# Altium PCB FMC_ADC_250M_16B_4ch_pcb.PcbDoc (part 1 of 8) (continued)
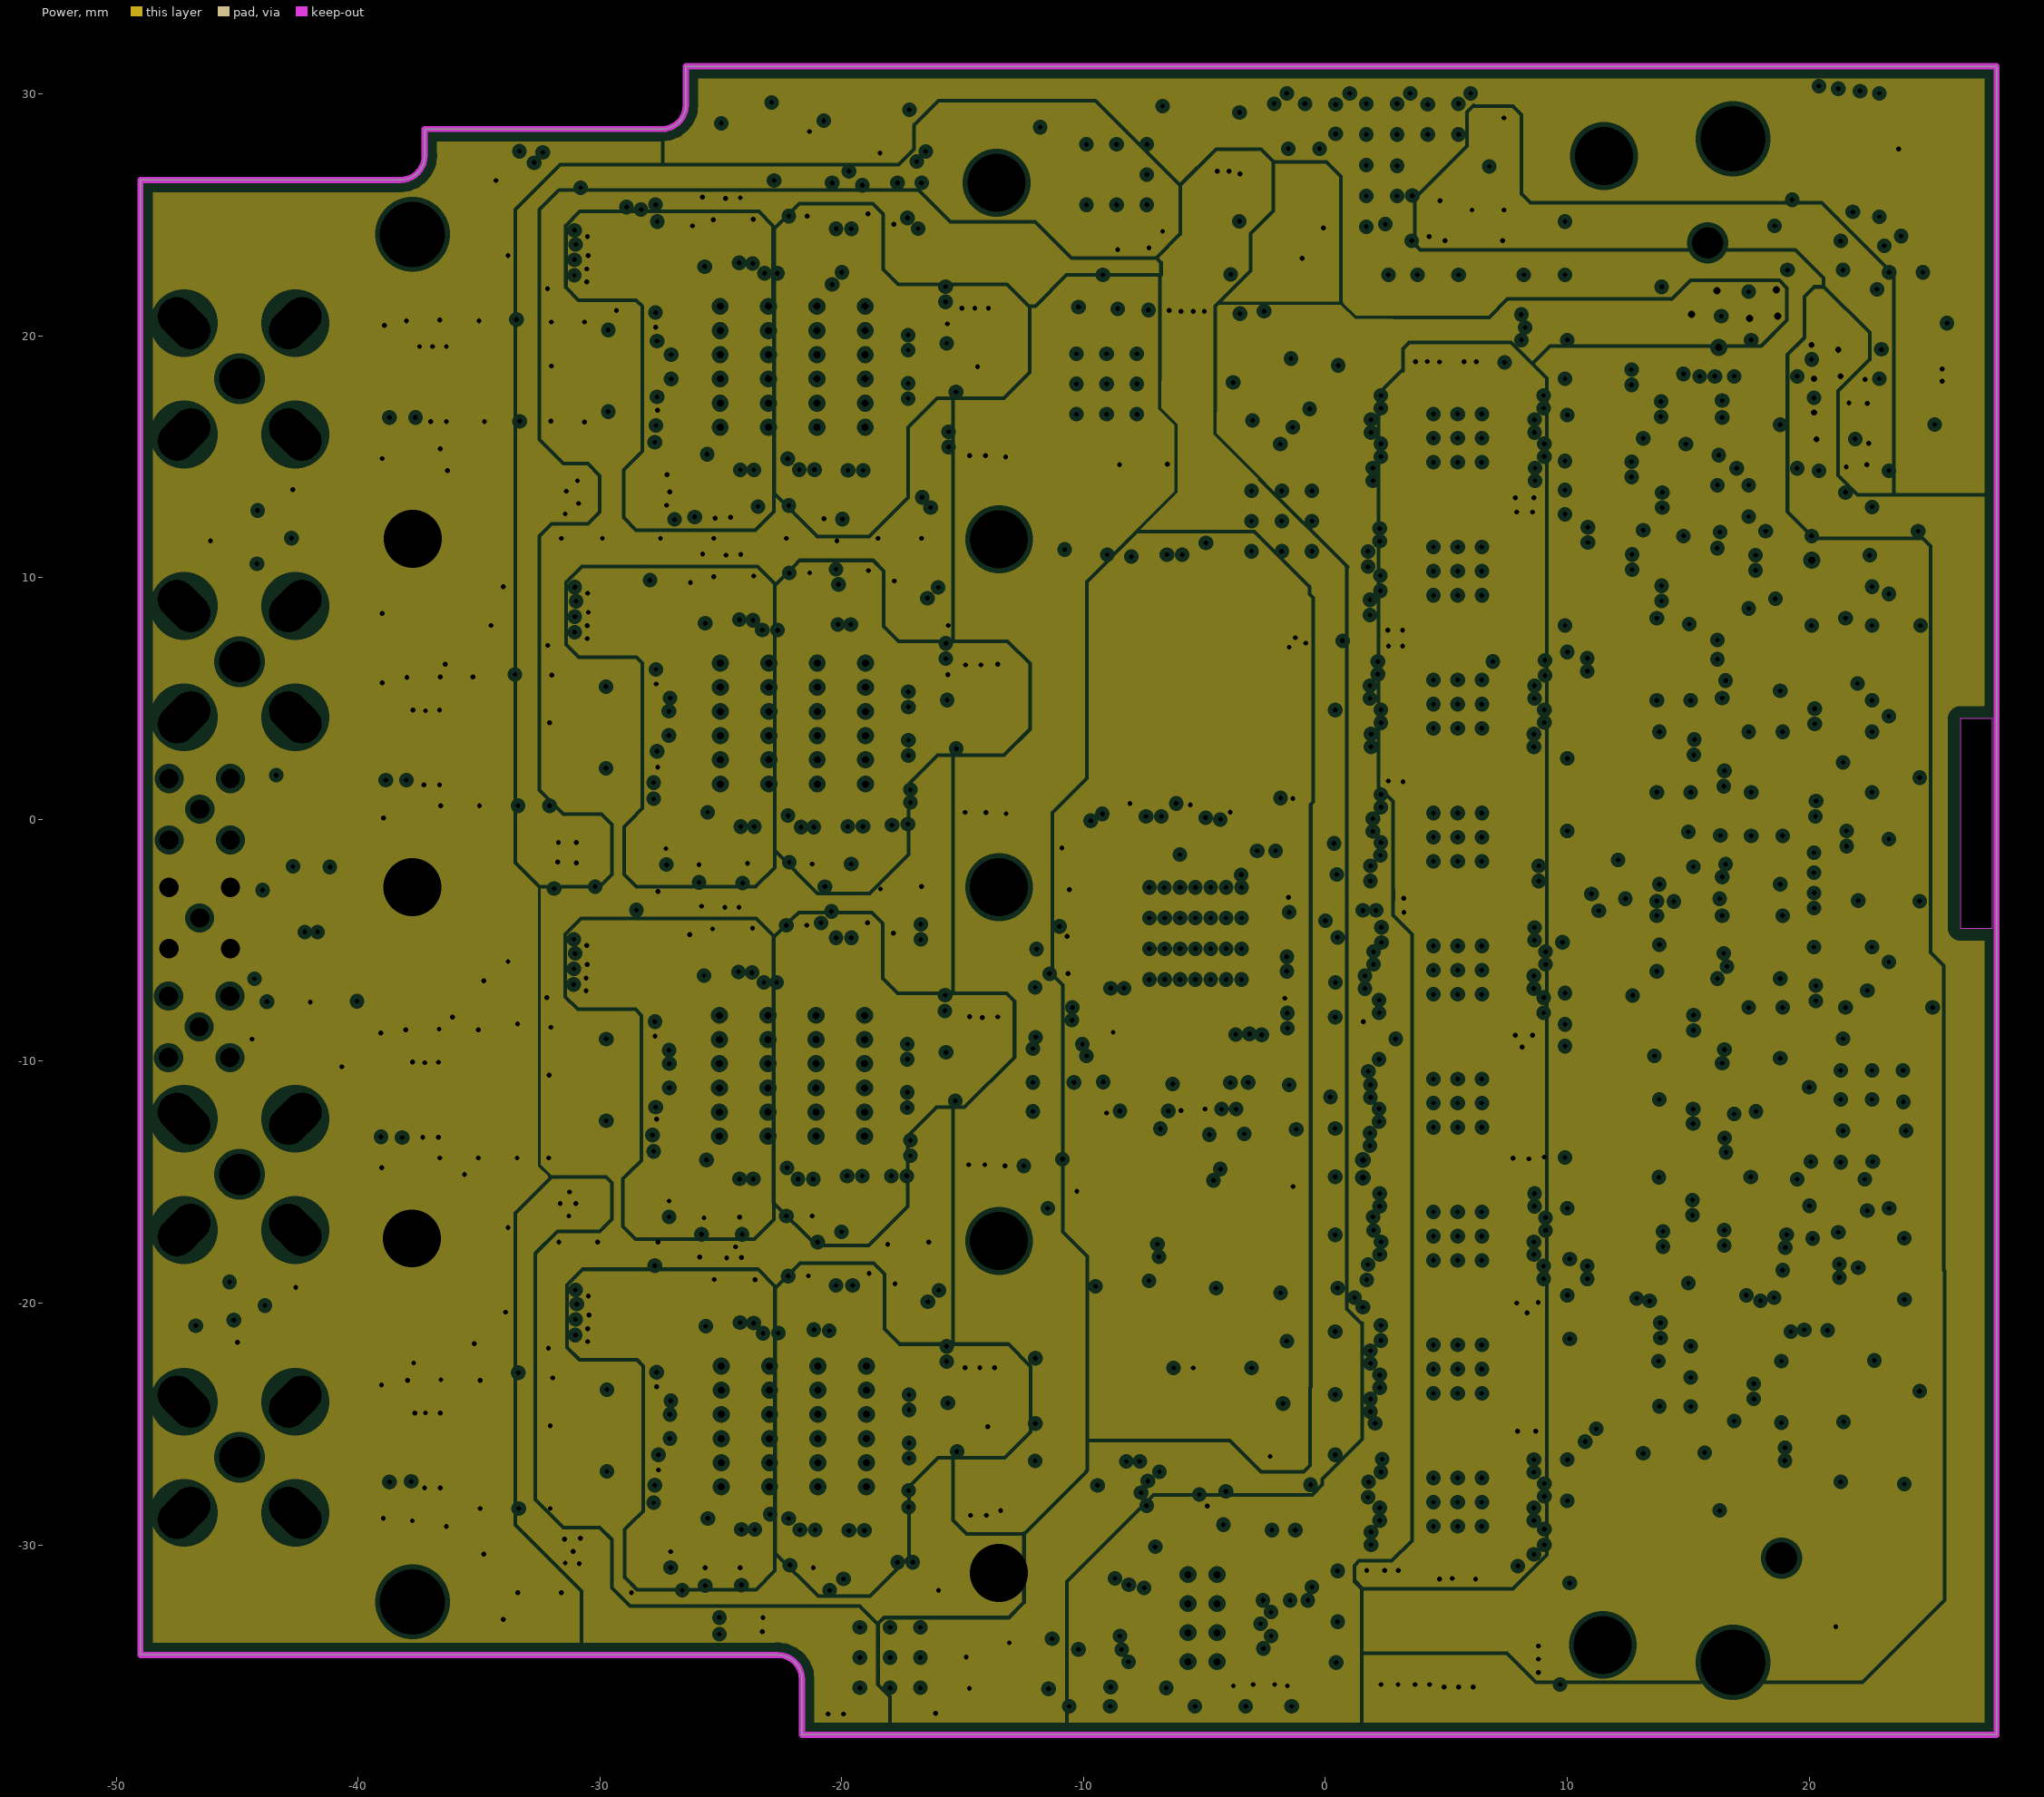
[diagram p7: Power, clearances drawn from the general rule]
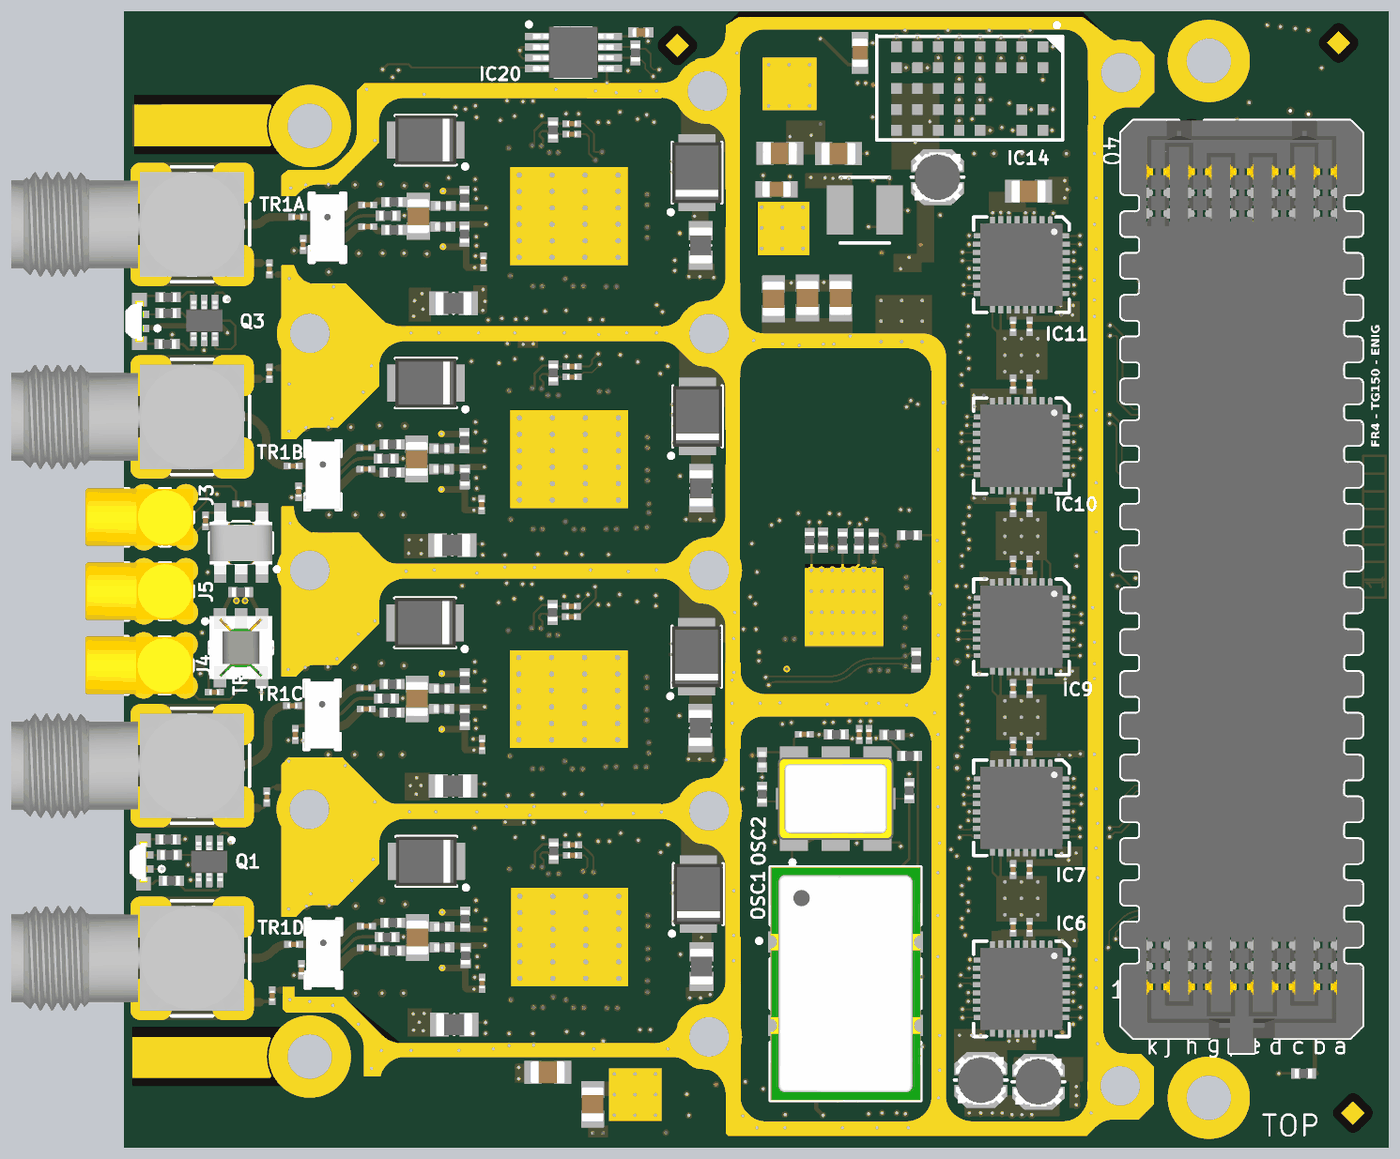
[diagram p15: 3D render of the assembled board from above, using the file's embedded part models]
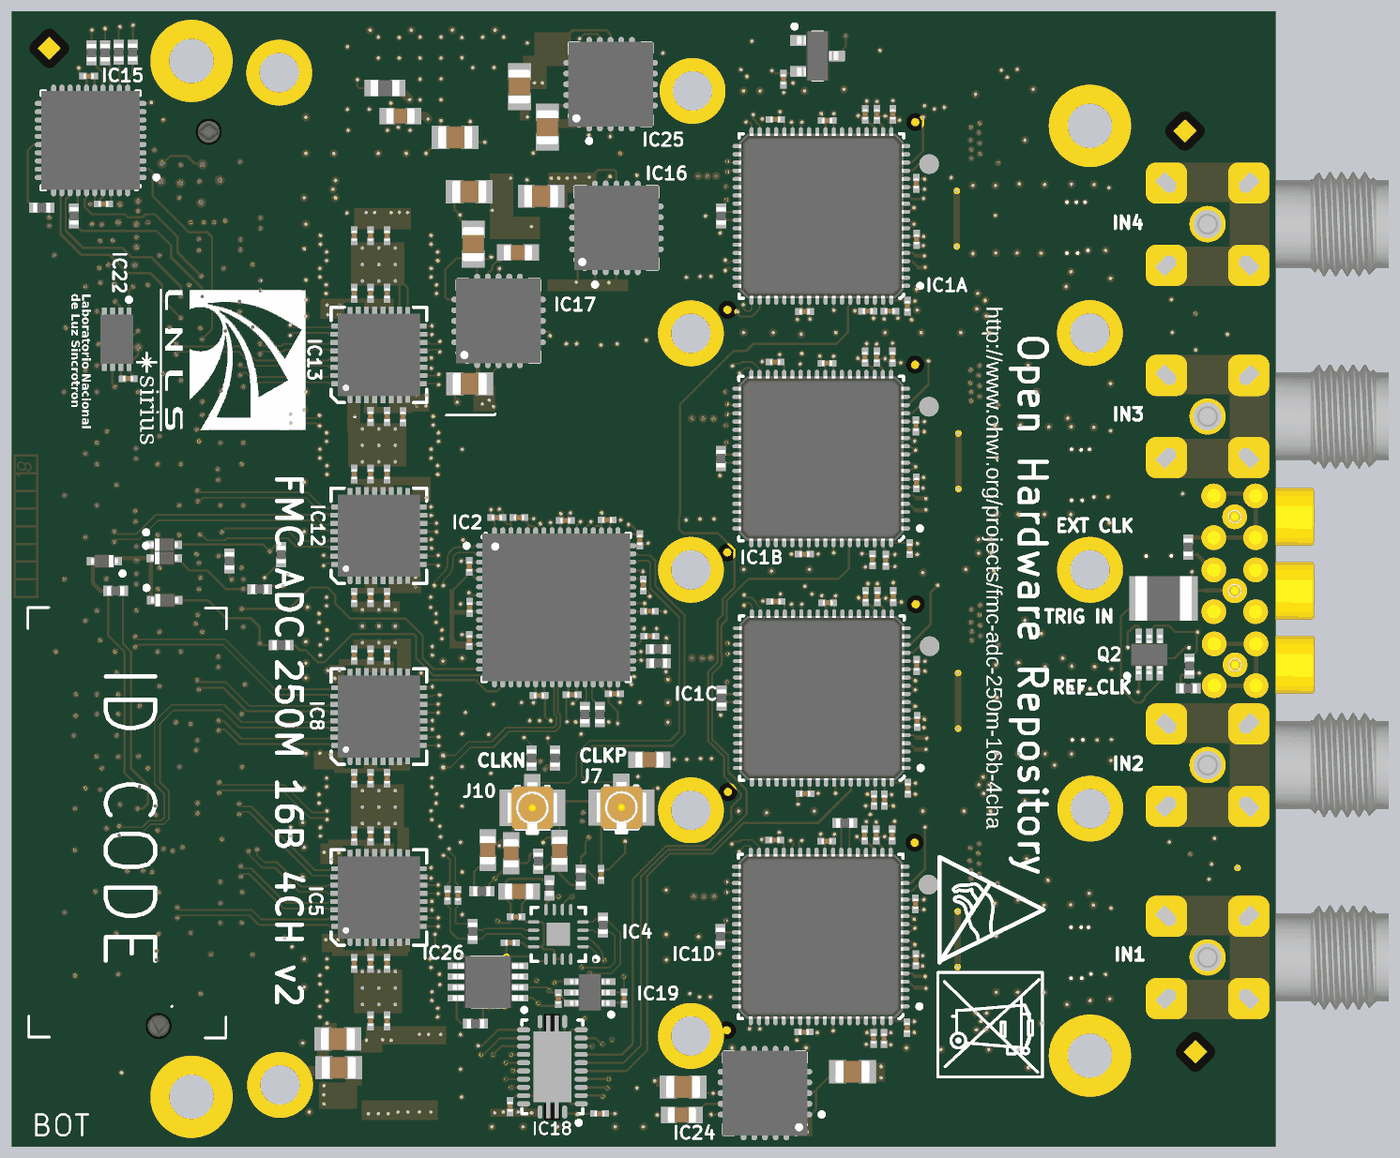
[diagram p16: 3D render of the assembled board from below, using the file's embedded part models]

## Layer stack, top to bottom
Top Layer: signal copper 0.035
Dielectric: prepreg 0.11, FR-4, Dk 4.8
GND(SMAGND): signal copper 0.035
Dielectric: core 0.1, FR-4, Dk 4.8
L3: signal copper 0.018
Dielectric: prepreg 0.29, FR-4, Dk 4.8
GND: plane copper 0.035, net GND
Dielectric: core 0.1, FR-4, Dk 4.8
L5: signal copper 0.035
Dielectric: prepreg 0.29, FR-4, Dk 4.8
GND (Plane2): plane copper 0.035, net GND
Dielectric: core 0.1, FR-4, Dk 4.8
Power: plane copper 0.035, net (Multiple Nets)
Dielectric: prepreg 0.11, FR-4, Dk 4.8
Bottom Layer: signal copper 0.035

## Board outline
-48.994,-34.55 -48.994,26.45 -48.996,26.446 -38.25,26.446 -38.244,26.45 ccw(c-38.244,27.45) -37.244,27.45 -37.244,28.55 -27.444,28.55 ccw(c-27.444,29.55) -26.444,29.55 -26.444,31.15 27.756,31.15 27.756,-37.85 -21.644,-37.85 -21.644,-35.55 ccw(c-22.644,-35.55) -22.644,-34.55
cut-out: 26.25,4.175 26.25,-4.5 27.587,-4.5 27.587,4.175

## Design rules (kind name [scope] priority, off if disabled: settings)
AcuteAngle [All] p1: minimum=4.50000000000000E+0001 checktracksonly=FALSE
Clearance "Clearance_gnd l3" [(InNamedPolygon('gnd L3'))] p1: gap=0.381
Clearance Clearance_SMAgnd [OnLayer('GND(SMAGND)')] p2: gap=0.203
Clearance "Clearance_poly gnd" [(InNamedPolygon('Top Layer-No Net') AND InNet('GND'))] p3: gap=0.254
Clearance Clearance_diff_pairs [(InDifferentialPairClass('All Differential Pairs')) vs (InDifferentialPairClass('All Differential Pairs'))] p4 off: gap=0.127
Clearance [All] p5: gap=0.102
ComponentClearance [All] p1: gap=0 collisioncheckmode=3 verticalgap=0 showdistances=FALSE
DiffPairsRouting [All] p1: maxlimit=0.236 minlimit=0.12 mostfreqgap=0.127 toplayer_mingap=0.222 toplayer_prefgap=0.229 midlayer1_maxgap=0.134 midlayer2_maxgap=0.134 midlayer3_maxgap=0.134 bottomlayer_mingap=0.222 bottomlayer_prefgap=0.229 maxuncoupledlength=15.24
FabricationTestPointUsage TestPointUsage [All] p1: valid=0 allowmultiple=FALSE
FabricationTestpoint Testpoint [(IsPad And (OnTopLayer Or OnBottomLayer))] p1: side=3 testpointundercomponent=TRUE minsize=1.016 maxsize=2.54 preferedsize=1.524 minholesize=0 maxholesize=1.016 preferedholesize=0.813 testpointgrid=0.025 allowsidetop=TRUE allowsidebottom=TRUE usegrid=TRUE gridtolerance=0
Height Height_Top [OnTop] p1: minheight=0 maxheight=12.7 prefheight=8.89
Height Height_Bot [OnBottom] p2: minheight=0 maxheight=1.651 prefheight=1.321
HoleSize [All] p1: absolutevalues=TRUE maxlimit=25.4 minlimit=0.025 maxpercent=80.000 minpercent=20.000
HoleToHoleClearance [All] p1: gap=0.127 allowstackedmicrovias=TRUE
Length [InNetClass('ADC0_D') or InNetClass('ADC1_D') or InNetClass('ADC1_D') or InNetClass('ADC3_D')] p1 off: maxlimit=17.5 minlimit=13.5
MatchedLengths "Schematic Matched Net Lengths" [InNetClass('ADC_CLK')] p1: tolerance=1 checknetsindiffpair=FALSE checkdiffpairvsdiffpair=TRUE checkothers=TRUE
MatchedLengths [InNetClass('ADC0_D') or InNetClass('ADC1_D') or InNetClass('ADC1_D') or InNetClass('ADC3_D')] p2 off: tolerance=1 checknetsindiffpair=TRUE checkdiffpairvsdiffpair=TRUE checkothers=TRUE
MinimumSolderMaskSliver [All] p1 off: minsoldermaskwidth=0.025
PlaneClearance [All] p1: clearance=0.203
PlaneConnect Vias_Plane [IsVia] p1: planeconnectstyle=Direct reliefexpansion=0.508 reliefentries=4 reliefconductorwidth=0.254 reliefairgap=0.254
PlaneConnect PlaneConnect_LEMO [(InComponent('J1') OR  InComponent('J2') OR  InComponent('J3') OR  InComponent('J4') OR  InComponent('J5') )] p2: planeconnectstyle=Relief reliefexpansion=0.254 reliefentries=4 reliefconductorwidth=0.25 reliefairgap=0.254
PlaneConnect PlaneConnect_1 [All] p3: planeconnectstyle=Relief reliefexpansion=0.203 reliefentries=4 reliefconductorwidth=0.203 reliefairgap=0.203
PolygonConnect Direc [InPadClass(Direc)] p1: connectstyle=Direct reliefconductorwidth=0.254 reliefentries=4 polygonreliefangle="90 Angle" airgapwidth=0.254
PolygonConnect Vias [IsVia] p2: connectstyle=Direct reliefconductorwidth=0.254 reliefentries=4 polygonreliefangle="90 Angle" airgapwidth=0.254
PolygonConnect PolygonConnect_LEMO [(InComponent('J1') OR InComponent('J2') OR InComponent('J3') OR InComponent('J4') OR InComponent('J5'))] p3: connectstyle=Relief reliefconductorwidth=0.25 reliefentries=4 polygonreliefangle="90 Angle" airgapwidth=0.254
PolygonConnect PolygonConnect_1 [All] p4: connectstyle=Relief reliefconductorwidth=0.254 reliefentries=4 polygonreliefangle="90 Angle" airgapwidth=0.254
RoomDefinition U_ADC_Buffers [InComponentClass('U_ADC_Buffers')] p1 off: confinementstyle=ConfineIn formatcopy=TRUE lockcomponents=FALSE outline -22.741,-32.811 -22.741,29.343 -35.263,29.343 -35.263,-32.811
RoomDefinition U_Triggers [InComponentClass('U_Triggers')] p2 off: confinementstyle=ConfineIn formatcopy=TRUE lockcomponents=FALSE outline -49.614,-34.157 -23.884,-34.157 -23.884,29.572 -49.614,29.572
RoomDefinition U_Clock_Distribution [InComponentClass('U_Clock_Distribution')] p3 off: confinementstyle=ConfineIn formatcopy=TRUE lockcomponents=FALSE outline -7.958,-30.068 14.597,-30.068 14.597,32.086 -7.958,32.086
RoomDefinition U_ADC1 [InComponentClass('U_ADC1')] p4 off: confinementstyle=ConfineIn formatcopy=TRUE lockcomponents=FALSE outline -41.029,11.721 -12,11.721 -12,26.221 -41.029,26.221
RoomDefinition U_ADC2 [InComponentClass('U_ADC2')] p5 off: confinementstyle=ConfineIn formatcopy=TRUE lockcomponents=FALSE outline -41.015,-3.033 -11.986,-3.033 -11.986,11.467 -41.015,11.467
RoomDefinition U_ADC4 [InComponentClass('U_ADC4')] p6 off: confinementstyle=ConfineIn formatcopy=TRUE lockcomponents=FALSE outline -40.987,-32.1 -11.958,-32.1 -11.958,-17.6 -40.987,-17.6
RoomDefinition U_Supply [InComponentClass('U_Supply')] p7 off: confinementstyle=ConfineIn formatcopy=TRUE lockcomponents=FALSE outline -12.505,-35.986 8.222,-35.986 8.222,30.486 -12.505,30.486
RoomDefinition U_FMC_connector [InComponentClass('U_FMC_connector')] p8 off: confinementstyle=ConfineIn formatcopy=TRUE lockcomponents=FALSE outline 10.329,10.555 26.839,10.555 26.839,29.224 10.329,29.224
RoomDefinition U_EEPROM_Temp_LEDs [InComponentClass('U_EEPROM_Temp_LEDs')] p9 off: confinementstyle=ConfineIn formatcopy=TRUE lockcomponents=FALSE outline 10.964,-37.451 27.756,-37.451 27.756,31.15 10.964,31.15
RoomDefinition U_ADC3 [InComponentClass('U_ADC3')] p10 off: confinementstyle=ConfineIn formatcopy=TRUE lockcomponents=FALSE outline -41.057,-17.6 -12.028,-17.6 -12.028,-3.1 -41.057,-3.1
RoomDefinition FMC_ADC_top [InComponentClass('FMC_ADC_top')] p11 off: confinementstyle=ConfineIn formatcopy=TRUE lockcomponents=FALSE outline -48.344,-35.419 -38.566,-35.419 -38.566,-21.914 -48.344,-21.914
RoutingVias [All] p1: holewidth=0.2 width=0.4 viastyle="Through Hole" minholewidth=0.2 minwidth=0.4 maxholewidth=0.4 maxwidth=0.8
SilkToSilkClearance [All] p1 off: silktosilkclearance=0.025
SilkToSolderMaskClearance SilkscreenOverComponentPads [IsPad] p1 off: minsilkscreentomaskgap=0.051 clearancetoexposedcopper=TRUE
SolderMaskExpansion [All] p1: expansion=0
ViasUnderSMD ViasUnderSMD_allow [InComponent('IC1A')   or InComponent('IC1B') or InComponent('IC1C') or InComponent('IC1D') or InComponent('IC16') or InComponent('IC17') or InComponent('IC24') or InComponent('IC12') or InComponent('IC2') or  InComponent('IC6')   or InComponent('IC5') or InComponent('IC1C') or InComponent('IC7')  or InComponent('IC8')  or InComponent('IC9')  or InComponent('IC12')    or InComponent('IC10')   or InComponent('IC13')   or InComponent('IC11')   or InComponent('IC4')   or InComponent('IC25')   or InComponent('IC15')    or InComponent('IC18')] p1: allowed=TRUE
ViasUnderSMD [All] p2: allowed=FALSE
Width Width_Pair_Diff [(InDifferentialPairClass('All Differential Pairs'))] p1: maxlimit=0.61 minlimit=0.102 preferedwidth=0.102 toplayer_maxwidth=0.254 midlayer1_maxwidth=0.102 midlayer2_maxwidth=0.102 midlayer3_minwidth=0.127 midlayer3_prefwidth=0.152 bottomlayer_maxwidth=0.102 minimp=50.000000 maximp=50.000000 favimp=50.000000
Width [All] p2: maxlimit=2.54 minlimit=0.102 preferedwidth=0.135 toplayer_minwidth=0.135 midlayer1_minwidth=0.123 midlayer1_prefwidth=0.123 midlayer2_minwidth=0.127 midlayer2_prefwidth=0.127 midlayer3_prefwidth=0.127 bottomlayer_minwidth=0.135 minimp=50.000000 maximp=50.000000 favimp=50.000000
16 further rules are at their usual default settings.

## Classes and differential pairs
component class U_Supply: C36 C39 C40 C41 C42 C43 C44 C45 C46 C68 C69 C70 C71 C72 C73 C74 C75 C76 C77 C123 C125 C126 C127 C128 IC14 IC16 IC17 IC24 IC25 L2 L6 L7 L8 R43
component class U_Clock_Distribution: C17 C26 C27 C28 C29 C30 C31 C32 C34 C35 C37 C38 C47 C48 C49 C50 C52 C53 C56 C57 C58 C59 C61 C62 C63 C64 C65 C66 C67 C124 IC2 IC4 IC26 J3 J4 J7 J10 L1 L3 L9 OSC1 OSC2 R12 R13 R14 R15 R16 R17 R18 R19 R20 R21 R23 R24 R25 R26 R28 R29 R30 R31 R36 R40 R42 R44 R45 R51 R52 R53 R55 R64 R72 R73 R74 TR6
channel class ADC: U_ADC1 U_ADC2 U_ADC3 U_ADC4
component class U_FMC_connector: B1 B2_PANEL B3_PANEL B4 D3 D4 D5 D6 J6 R75 R132
pad class Direc: B1-1 B2-1 B3-1 B4-1
component class FMC_ADC_top: B5 B6 B7 B8 B9 B10 B11 B14 B15 B16 C25 C33 C129 C130 IC18 IC19 J1 J2 J8 J9 R3
component class U_ADC1: C1A C2A C3A C4A C5A C6A C7A C8A C9A C10A C11A C12A C13A C15A C18A C19A C20A C21A C24A C55A C56A C133A IC1A L1A L2A L4A L5A R1A R3A R4A R6A R8A R9A R10A TP1A TR1A
component class U_ADC2: C1B C2B C3B C4B C5B C6B C7B C8B C9B C10B C11B C12B C13B C15B C18B C19B C20B C21B C24B C55B C56B C133B IC1B L1B L2B L4B L5B R1B R3B R4B R6B R8B R9B R10B TP1B TR1B
component class U_ADC3: C1C C2C C3C C4C C5C C6C C7C C8C C9C C10C C11C C12C C13C C15C C18C C19C C20C C21C C24C C55C C56C C133C IC1C L1C L2C L4C L5C R1C R3C R4C R6C R8C R9C R10C TP1C TR1C
component class U_ADC4: C1D C2D C3D C4D C5D C6D C7D C8D C9D C10D C11D C12D C13D C15D C18D C19D C20D C21D C24D C55D C56D C133D IC1D L1D L2D L4D L5D R1D R3D R4D R6D R8D R9D R10D TP1D TR1D
component class U_EEPROM_Temp_LEDs: C22 C23 C55 FTG1 FTG2 FTG3 FTG4 FTG5 FTG6 IC15 IC22 LD1 Q1 Q2 R2 R11 R27 R32 R33 R34 R35 R46 R47
component class U_Triggers: C131 C132 D1 IC20 J5 LD2 Q3 R38 R39 R48 R49 R50 R65
component class U_ADC_Buffers: C78 C79 C80 C81 C82 C83 C84 C85 C86 C87 C88 C89 C90 C91 C92 C93 C94 C95 C96 C97 C98 C99 C100 C101 C102 C103 C104 C105 C106 C107 C108 C109 C110 C111 C112 C113 C114 C115 C116 C117 C118 C119 C120 C121 C122 IC5 IC6 IC7 IC8 IC9 IC10 IC11 IC12 IC13
net class ADC0_D: ADC_BUF_DATA0.CLKOUT_N ADC_BUF_DATA0.CLKOUT_P ADC_BUF_DATA0.D0_N ADC_BUF_DATA0.D0_P ADC_BUF_DATA0.D2_N ADC_BUF_DATA0.D2_P ADC_BUF_DATA0.D4_N ADC_BUF_DATA0.D4_P ADC_BUF_DATA0.D6_N ADC_BUF_DATA0.D6_P ADC_BUF_DATA0.D8_N ADC_BUF_DATA0.D8_P ADC_BUF_DATA0.D10_N ADC_BUF_DATA0.D10_P ADC_BUF_DATA0.D12_N ADC_BUF_DATA0.D12_P ADC_BUF_DATA0.D14_N ADC_BUF_DATA0.D14_P
net class ADC1_D: ADC_BUF_DATA1.CLKOUT_N ADC_BUF_DATA1.CLKOUT_P ADC_BUF_DATA1.D0_N ADC_BUF_DATA1.D2_N ADC_BUF_DATA1.D2_P ADC_BUF_DATA1.D4_N ADC_BUF_DATA1.D4_P ADC_BUF_DATA1.D6_N ADC_BUF_DATA1.D6_P ADC_BUF_DATA1.D8_N ADC_BUF_DATA1.D8_P ADC_BUF_DATA1.D10_N ADC_BUF_DATA1.D10_P ADC_BUF_DATA1.D12_N ADC_BUF_DATA1.D12_P ADC_BUF_DATA1.D14_N ADC_BUF_DATA1.D14_P
net class ADC2_D: ADC_BUF_DATA2.CLKOUT_N ADC_BUF_DATA2.CLKOUT_P ADC_BUF_DATA2.D0_N ADC_BUF_DATA2.D2_N ADC_BUF_DATA2.D2_P ADC_BUF_DATA2.D4_N ADC_BUF_DATA2.D4_P ADC_BUF_DATA2.D6_N ADC_BUF_DATA2.D6_P ADC_BUF_DATA2.D8_N ADC_BUF_DATA2.D8_P ADC_BUF_DATA2.D10_N ADC_BUF_DATA2.D10_P ADC_BUF_DATA2.D12_N ADC_BUF_DATA2.D12_P ADC_BUF_DATA2.D14_N ADC_BUF_DATA2.D14_P
net class ADC3_D: ADC_BUF_DATA3.CLKOUT_N ADC_BUF_DATA3.CLKOUT_P ADC_BUF_DATA3.D0_N ADC_BUF_DATA3.D2_N ADC_BUF_DATA3.D2_P ADC_BUF_DATA3.D4_N ADC_BUF_DATA3.D4_P ADC_BUF_DATA3.D6_N ADC_BUF_DATA3.D6_P ADC_BUF_DATA3.D8_N ADC_BUF_DATA3.D8_P ADC_BUF_DATA3.D10_N ADC_BUF_DATA3.D10_P ADC_BUF_DATA3.D12_N ADC_BUF_DATA3.D12_P ADC_BUF_DATA3.D14_N ADC_BUF_DATA3.D14_P
net class ADC_CLK: ADC1_CLK_N ADC1_CLK_P ADC2_CLK_N ADC2_CLK_P ADC3_CLK_N ADC3_CLK_P ADC4_CLK_N ADC4_CLK_P
differential pair RF_AUX: +RF_AUX_P -RF_AUX_N
differential pair EXT_CLK: +EXT_CLK_P -EXT_CLK_N
differential pair ADC_BUF_DATA3.D14: +ADC_BUF_DATA3.D14_P -ADC_BUF_DATA3.D14_N
differential pair ADC_BUF_DATA3.D12: +ADC_BUF_DATA3.D12_P -ADC_BUF_DATA3.D12_N
differential pair ADC_BUF_DATA3.D10: +ADC_BUF_DATA3.D10_P -ADC_BUF_DATA3.D10_N
differential pair ADC_BUF_DATA3.D8: +ADC_BUF_DATA3.D8_P -ADC_BUF_DATA3.D8_N
differential pair ADC_BUF_DATA3.D6: +ADC_BUF_DATA3.D6_P -ADC_BUF_DATA3.D6_N
differential pair ADC_BUF_DATA3.D4: +ADC_BUF_DATA3.D4_P -ADC_BUF_DATA3.D4_N
differential pair ADC_BUF_DATA3.D2: +ADC_BUF_DATA3.D2_P -ADC_BUF_DATA3.D2_N
differential pair ADC_BUF_DATA3.D0: +ADC_BUF_DATA3.D0_P -ADC_BUF_DATA3.D0_N
differential pair ADC_BUF_DATA3.CLKOUT: +ADC_BUF_DATA3.CLKOUT_P -ADC_BUF_DATA3.CLKOUT_N
differential pair ADC_BUF_DATA2.D12: +ADC_BUF_DATA2.D12_P -ADC_BUF_DATA2.D12_N
differential pair ADC_BUF_DATA2.D10: +ADC_BUF_DATA2.D10_P -ADC_BUF_DATA2.D10_N
differential pair ADC_BUF_DATA2.D8: +ADC_BUF_DATA2.D8_P -ADC_BUF_DATA2.D8_N
differential pair ADC_BUF_DATA2.D6: +ADC_BUF_DATA2.D6_P -ADC_BUF_DATA2.D6_N
differential pair ADC_BUF_DATA2.D4: +ADC_BUF_DATA2.D4_P -ADC_BUF_DATA2.D4_N
differential pair ADC_BUF_DATA2.D2: +ADC_BUF_DATA2.D2_P -ADC_BUF_DATA2.D2_N
differential pair ADC_BUF_DATA2.D0: +ADC_BUF_DATA2.D0_P -ADC_BUF_DATA2.D0_N
differential pair ADC_BUF_DATA1.D12: +ADC_BUF_DATA1.D12_P -ADC_BUF_DATA1.D12_N
differential pair ADC_BUF_DATA1.D10: +ADC_BUF_DATA1.D10_P -ADC_BUF_DATA1.D10_N
differential pair ADC_BUF_DATA1.D8: +ADC_BUF_DATA1.D8_P -ADC_BUF_DATA1.D8_N
differential pair ADC_BUF_DATA0.D14: +ADC_BUF_DATA0.D14_P -ADC_BUF_DATA0.D14_N
differential pair ADC_BUF_DATA0.D12: +ADC_BUF_DATA0.D12_P -ADC_BUF_DATA0.D12_N
differential pair ADC_BUF_DATA0.D10: +ADC_BUF_DATA0.D10_P -ADC_BUF_DATA0.D10_N
differential pair ADC_BUF_DATA0.D8: +ADC_BUF_DATA0.D8_P -ADC_BUF_DATA0.D8_N
differential pair ADC_BUF_DATA0.D6: +ADC_BUF_DATA0.D6_P -ADC_BUF_DATA0.D6_N
differential pair ADC_BUF_DATA0.D4: +ADC_BUF_DATA0.D4_P -ADC_BUF_DATA0.D4_N
differential pair ADC_BUF_DATA0.D2: +ADC_BUF_DATA0.D2_P -ADC_BUF_DATA0.D2_N
differential pair ADC_BUF_DATA0.D0: +ADC_BUF_DATA0.D0_P -ADC_BUF_DATA0.D0_N
differential pair ADC_BUF_DATA0.CLKOUT: +ADC_BUF_DATA0.CLKOUT_P -ADC_BUF_DATA0.CLKOUT_N
differential pair ADC_BUF_DATA2.CLKOUT: +ADC_BUF_DATA2.CLKOUT_P -ADC_BUF_DATA2.CLKOUT_N
differential pair ADC_BUF_DATA1.D14: +ADC_BUF_DATA1.D14_P -ADC_BUF_DATA1.D14_N
differential pair ADC_BUF_DATA1.D6: +ADC_BUF_DATA1.D6_P -ADC_BUF_DATA1.D6_N
differential pair ADC_BUF_DATA1.D4: +ADC_BUF_DATA1.D4_P -ADC_BUF_DATA1.D4_N
differential pair ADC_BUF_DATA1.D2: +ADC_BUF_DATA1.D2_P -ADC_BUF_DATA1.D2_N
differential pair ADC_BUF_DATA1.D0: +ADC_BUF_DATA1.D0_P -ADC_BUF_DATA1.D0_N
differential pair ADC_BUF_DATA1.CLKOUT: +ADC_BUF_DATA1.CLKOUT_P -ADC_BUF_DATA1.CLKOUT_N
differential pair ADC1_CLK: +ADC1_CLK_P -ADC1_CLK_N
differential pair ADC2_CLK: +ADC2_CLK_P -ADC2_CLK_N
differential pair ADC3_CLK: +ADC3_CLK_P -ADC3_CLK_N
differential pair ADC4_CLK: +ADC4_CLK_P -ADC4_CLK_N
differential pair CLKDIVRST: +CLKDIVRST_P -CLKDIVRST_N
differential pair REFIN: +REFIN_P -REFIN_N
differential pair ADC_BUF_DATA2.D14: +ADC_BUF_DATA2.D14_P -ADC_BUF_DATA2.D14_N
differential pair ADC_DATA0.CLKOUT: +ADC_DATA0.CLKOUT_P -ADC_DATA0.CLKOUT_N
differential pair ADC_DATA0.D0: +ADC_DATA0.D0_P -ADC_DATA0.D0_N
differential pair ADC_DATA0.D2: +ADC_DATA0.D2_P -ADC_DATA0.D2_N
differential pair ADC_DATA0.D4: +ADC_DATA0.D4_P -ADC_DATA0.D4_N
differential pair ADC_DATA0.D6: +ADC_DATA0.D6_P -ADC_DATA0.D6_N
differential pair ADC_DATA0.D8: +ADC_DATA0.D8_P -ADC_DATA0.D8_N
differential pair ADC_DATA0.D10: +ADC_DATA0.D10_P -ADC_DATA0.D10_N
differential pair ADC_DATA0.D12: +ADC_DATA0.D12_P -ADC_DATA0.D12_N
differential pair ADC_DATA0.D14: +ADC_DATA0.D14_P -ADC_DATA0.D14_N
differential pair ADC_DATA1.CLKOUT: +ADC_DATA1.CLKOUT_P -ADC_DATA1.CLKOUT_N
differential pair ADC_DATA1.D0: +ADC_DATA1.D0_P -ADC_DATA1.D0_N
differential pair ADC_DATA1.D2: +ADC_DATA1.D2_P -ADC_DATA1.D2_N
differential pair ADC_DATA1.D4: +ADC_DATA1.D4_P -ADC_DATA1.D4_N
differential pair ADC_DATA1.D6: +ADC_DATA1.D6_P -ADC_DATA1.D6_N
differential pair ADC_DATA1.D8: +ADC_DATA1.D8_P -ADC_DATA1.D8_N
differential pair ADC_DATA1.D10: +ADC_DATA1.D10_P -ADC_DATA1.D10_N
differential pair ADC_DATA1.D12: +ADC_DATA1.D12_P -ADC_DATA1.D12_N
differential pair ADC_DATA1.D14: +ADC_DATA1.D14_P -ADC_DATA1.D14_N
differential pair ADC_DATA2.CLKOUT: +ADC_DATA2.CLKOUT_P -ADC_DATA2.CLKOUT_N
differential pair ADC_DATA2.D0: +ADC_DATA2.D0_P -ADC_DATA2.D0_N
differential pair ADC_DATA2.D2: +ADC_DATA2.D2_P -ADC_DATA2.D2_N
differential pair ADC_DATA2.D4: +ADC_DATA2.D4_P -ADC_DATA2.D4_N
differential pair ADC_DATA2.D6: +ADC_DATA2.D6_P -ADC_DATA2.D6_N
differential pair ADC_DATA2.D8: +ADC_DATA2.D8_P -ADC_DATA2.D8_N
differential pair ADC_DATA2.D10: +ADC_DATA2.D10_P -ADC_DATA2.D10_N
differential pair ADC_DATA2.D12: +ADC_DATA2.D12_P -ADC_DATA2.D12_N
differential pair ADC_DATA2.D14: +ADC_DATA2.D14_P -ADC_DATA2.D14_N
differential pair ADC_DATA3.CLKOUT: +ADC_DATA3.CLKOUT_P -ADC_DATA3.CLKOUT_N
differential pair ADC_DATA3.D0: +ADC_DATA3.D0_P -ADC_DATA3.D0_N
differential pair ADC_DATA3.D2: +ADC_DATA3.D2_P -ADC_DATA3.D2_N
differential pair ADC_DATA3.D4: +ADC_DATA3.D4_P -ADC_DATA3.D4_N
differential pair ADC_DATA3.D6: +ADC_DATA3.D6_P -ADC_DATA3.D6_N
differential pair ADC_DATA3.D8: +ADC_DATA3.D8_P -ADC_DATA3.D8_N